# KiCad board panel.kicad_pcb (continued)
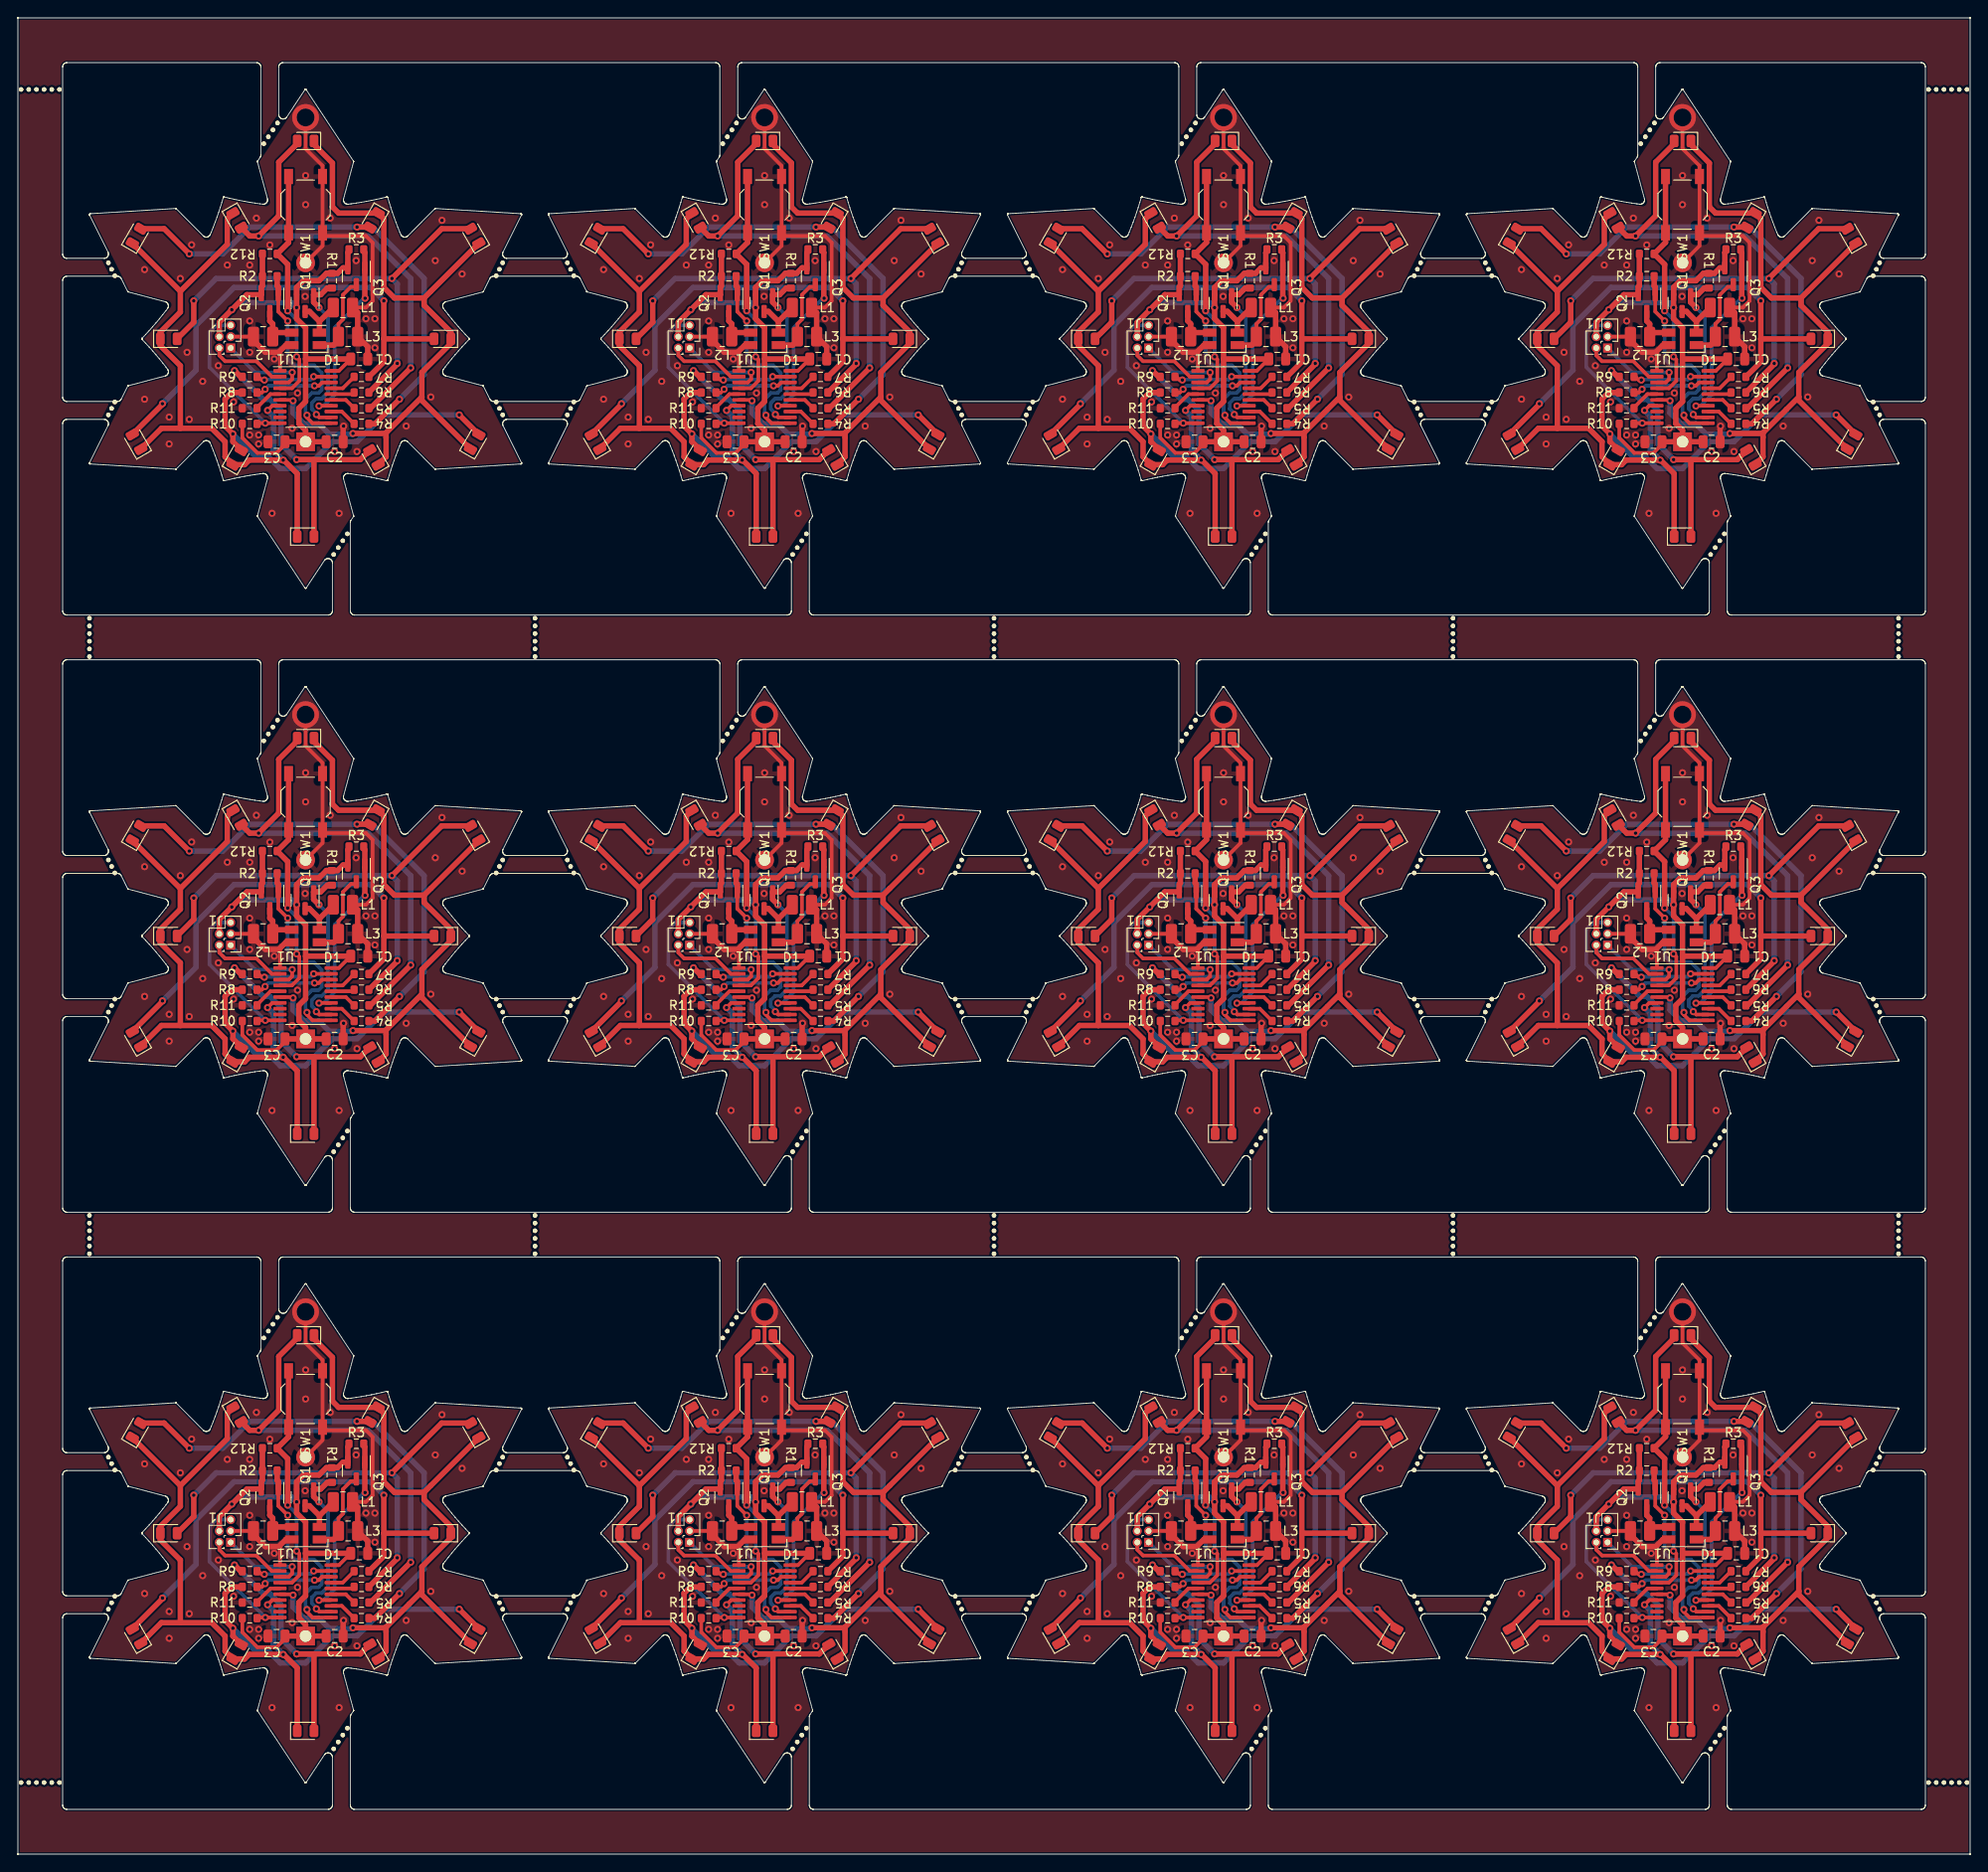
[diagram p0: board, top side]
## Routing (per net, layer and track width the routed paths; a pad name or vN(x,y) marks a point on that pad's centre or on a via; arc(x,y) is an arc through that point) (continued)
  Bottom w0.406: v1(133.29,165.64) 129.14,165.64 J1#3.1
Board_2-/SWD: length 8.6
  Top w0.406: J1#3.2 125.14,167.53 125.79,166.89 129.29,166.89 131.01,165.16 U1#9.2
Board_2-GND: length 51.4
  Top w0.406: J1#3.3 128.96,169.63 L2#10.2 ; SW1#3.2 136.69,179.79 BT1#6.2 ; SW1#3.2 137.04,180.89 141.54,180.89 142.29,180.14 142.29,173.64 141.54,172.89 L1#2.2 ; SW1#3.2 SW1#3.2 136.69,188.74 134.79,190.64 v2(134.79,194.14) ; U1#9.1 131.92,167.75 131.79,167.89
  Top w0.61: D1#11.1 132.59,168.69 131.79,167.89 130.29,167.89 128.96,169.21 L2#10.2 ; v1(139.04,159.64) 138.99,159.59 C2.2 ; C1#12.1 141.74,168.51 L3#7.2 140.61,172.31 L1#2.2
  vias: v1(116.79,177.14) v1(116.79,162.64) v1(119.54,160.64) v1(119.54,157.64) v1(120.79,176.14) v1(121.54,167.89) v1(121.79,160.39) v1(122.05,179.9) v1(123.29,164.64) v1(125.04,166.39) v1(126.04,177.64) v1(126.74,162.34) v1(128.54,177.64) v1(128.54,171.39) v1(128.54,167.89) v1(128.54,158.64) v1(129.29,182.89) v1(129.54,158.64) v1(129.54,157.64) v1(130.79,179.89) v1(131.04,149.89) v1(131.29,167.14) v1(133.29,159.39) v1(133.88,163.33) v1(134.74,174.14) v1(134.79,187.64) v1(134.79,184.39) v1(137.54,182.89) v1(138.04,156.79) v1(138.54,149.89) v1(140.44,178.14) v1(140.53,156.79) v1(141.54,171.64) v1(142.54,171.64) v1(142.54,168.39) v1(146.04,159.64) v1(148.79,162.89) v1(149.29,178.14) v1(150.04,182.64) v1(152.29,176.64)
Board_2-Net-(D1-BK): length 5.5
  Top w0.61: Q1#4.3 135.22,172.45 136.34,171.34 ; D1#11.4 136.34,171.34 ; 136.34,171.34 L1#2.1
Board_2-Net-(D1-GK): length 9.5
  Top w0.406: L3#7.1 138.46,171.06 138.96,171.56 138.96,174.31 139.85,175.2 140.46,175.2
  Top w0.61: D1#11.3 137.92,168.69 138.46,169.22 L3#7.1
Board_2-Net-(D1-RK): length 5.3
  Top w0.61: D1#11.2 131.56,170.09 L2#10.1 131.11,171.06 130.79,171.39 Q2#9.3
Board_2-Net-(D2-A): length 57
  Top w0.61: v1(121.79,178.89) 118.97,181.7 D2#8.2 ; D3#6.2 141.91,181.89 v1(140.54,181.89) ; R4#6.1 142.54,159.89 v1(145.29,162.64)
  Bottom w0.61: 145.35,162.69 148.04,165.39 148.04,176.14 142.29,181.89 v1(140.54,181.89) 128.54,181.89 125.54,178.89 v1(121.79,178.89)
Board_2-Net-(D4-A): length 50.2
  Top w0.61: D4#3.2 128.54,180.89 v1(129.54,180.89) 131.79,183.14 131.79,189.14 133.85,191.2 D5#10.2 ; R5#8.1 142.04,161.64 v1(146.54,166.14)
  Bottom w0.61: v1(129.54,180.89) 141.79,180.89 146.54,176.14 v1(146.54,166.14)
Board_2-Net-(D6-A): length 53.6
  Top w0.61: R6#9.1 145.04,166.56 v1(145.04,166.64) ; D6#5.2 122.29,171.25 v1(122.29,173.64) ; D7#10.2 150,181.7 v1(144.44,176.14)
  Bottom w0.61: v1(145.04,166.64) 145.04,175.54 v1(144.44,176.14) 124.79,176.14 v1(122.29,173.64)
Board_2-Net-(D8-A): length 53.3
  Top w0.61: R7.1 143.54,166.81 143.54,169.39 ; D9#8.2 143.54,169.39 ; 143.54,169.39 v1(143.54,173.64) ; D8#9.2 118.79,162.07
  Bottom w0.61: v1(118.79,162.14) 122.54,165.89 122.54,170.89 126.79,175.14 142.04,175.14 v1(143.54,173.64)
Board_2-Net-(D10-A): length 41.2
  Top w0.61: R8#5.1 126.51,163.39 125.79,162.67 125.79,159.64 v1(126.66,158.76) 126.66,157.89 D10#7.2 ; v1(151.97,160.89) D11#7.2
  Bottom w0.61: v1(151.97,160.89) 143.54,160.89 140.56,157.91 137.81,157.91 134.79,154.89 131.95,154.89 130.7,156.14 129.29,156.14 v1(126.66,158.76)
Board_2-Net-(D12-A): length 33.6
  Top w0.61: D12#7.2 135.72,155.89 v1(133.79,155.89) 140.91,155.89 D13#12.2 ; R9#8.1 127.54,165.14 v1(126.84,165.84)
  Bottom w0.61: v1(133.79,155.89) 132.04,157.64 132.04,161.39 130.79,162.64 130.04,162.64 v1(126.84,165.84)
Board_2-Net-(SW1A-A): length 26.9
  Top w0.406: v1(133.79,167.39) 134.09,167.08 134.09,164.69 133.26,163.86 U1#9.4
  Top w0.61: SW1#3.1 SW1#3.1 132.89,180.16 R12#12.1 132.79,177.71 v1(132.79,172.52)
  Bottom w0.406: v1(133.79,167.39) 133.79,171.52 v1(132.79,172.52)
Board_2-Net-(U1-PB6/PF4-BOOT0): length 3.3
  Top w0.406: U1#9.5 130.86,163.21 129.36,161.71 R11.2
Board_2-VCC: length 67.1
  Top w0.406: C1#12.2 138.51,165.81 U1#9.20 ; C3#9.1 132.49,157.59 131.54,156.64 129.4,156.64 127.71,158.32 R10#7.1
  Top w0.61: Q3#11.2 138.97,177.32 138.36,176.71 R1#3.1 137.11,176.71 136.29,175.89 134.54,175.89 133.79,175.14 Q1#4.2 133.79,171.64 134.79,170.64 134.79,167.14 ; 134.79,167.14 C1#12.2 ; 134.79,167.14 134.79,162.39 134.04,161.64 134.04,159.92 134.79,159.17 BT1#6.1 ; BT1#6.1 C3#9.1 ; BT1#6.1 C2.1 ; 139.64,179.14 139.51,179.01 139.51,177.07 ; R12#12.2 R2#6.1 129.96,175.31 129.84,175.19 Q2#9.2 128.22,174.32 125.14,171.24 J1#3.4
  Bottom w0.61: v1(126.54,172.64) 127.33,173.43 133.25,173.43 v1(133.79,172.89)
Board_3-/B: length 19.5
  Top w0.406: v1(187.3,160.93) 187.62,160.61 U1#5.12
  Top w0.61: v1(187.6,172.89) 187,173.49 Q1#9.1 187.79,174.32 188.52,175.06 R1#11.2
  Bottom w0.406: v1(187.3,160.93) 187.3,161.04 186.79,161.55 186.79,162.22 187.27,162.69 187.9,162.69 188.6,163.39 188.6,171.89 v1(187.6,172.89)
Board_3-/G: length 21.3
  Top w0.406: v1(187.6,161.89) 187.62,161.91 U1#5.14 ; 192.66,177.14 192.72,177.07
  Top w0.61: 192.6,179.14 192.72,179.01 192.72,173.96 v1(192.75,173.93)
  Bottom w0.406: v1(192.75,173.93) 192.64,173.93 189.35,170.64 189.35,163.14 188.1,161.89 v1(187.6,161.89)
Board_3-/L1: length 3.1
  Top w0.406: U1#5.13 190.15,161.26 R4#3.2
Board_3-/L2: length 2.9
  Top w0.406: R5#6.2 190.6,162.56 U1#5.15
Board_3-/L3: length 2.6
  Top w0.406: U1#5.16 191.35,163.21 R6#10.2
Board_3-/L4: length 3.1
  Top w0.406: R7#5.2 190.25,163.86 U1#5.17
Board_3-/L5: length 8.8
  Top w0.406: U1#5.18 187.95,164.51 187.57,164.14 v1(187.1,164.14) ; R8#4.2 181.21,163.39 v1(181.57,163.75)
  Bottom w0.406: v1(187.1,164.14) 181.96,164.14 v1(181.57,163.75)
Board_3-/L6: length 8.6
  Top w0.406: v1(187,165.16) U1#5.19 ; R9#9.2 180.85,165.14 181.2,164.78 v1(181.49,164.78)
  Bottom w0.406: v1(187,165.16) 186.67,164.83 181.54,164.83 v1(181.49,164.78)
Board_3-/MPX1: length 81.4
  Top w0.406: U1#5.6 184.6,162.56 v1(184.7,162.47)
  Top w0.61: D5#6.1 187.04,191.1 189.1,189.04 189.1,184.14 189.79,183.45 D3#8.1 194.85,182.82 194.85,175.14 196.03,173.95 199.35,173.95 ; 199.35,173.95 D7#9.1 ; 199.35,173.95 199.35,173.14 202.34,170.15 D9#2.1 202.34,168.87 199.1,165.64 199.1,162.89 ; 195.1,158.89 199.1,162.89 ; 195.1,158.89 195.1,156.2 D13#3.1 ; 195.1,158.89 195.02,158.81 v1(191.4,158.81) ; 199.1,162.89 199.1,162.5 D11.1
  Bottom w0.61: v1(184.7,162.47) 184.7,161.12 185.93,159.89 187.6,159.89 188.75,158.73 191.32,158.73 v1(191.4,158.81)
Board_3-/MPX2: length 72.8
  Top w0.406: v1(181.85,161.39) 182.37,161.91 U1#5.7
  Top w0.61: 172.1,159.39 172.1,166.39 169.86,168.62 D6.1 169.86,170.15 172.1,172.39 172.1,174.7 ; 172.1,159.39 175.6,159.39 177.1,157.89 177.1,156.2 D10#6.1 179.29,155.32 179.8,155.83 v1(183.6,155.83) 183.65,155.83 185.16,154.32 D12#5.1 ; 172.1,159.39 169.98,159.39 D8#11.1 ; D4#7.1 177.35,182.82 177.35,179.95 172.1,174.7 ; 172.1,174.7 D2#9.1
  Bottom w0.61: v1(183.6,155.83) 182.5,156.93 182.5,160.73 v1(181.85,161.39)
Board_3-/nRST: length 18
  Top w0.406: U1#5.10 180.75,159.96 R10#11.2
  Bottom w0.406: v1(181.6,159.96) 175.35,166.21 175.35,170.14 176.11,170.9 J1#5.5
Board_3-/R: length 23.4
  Top w0.406: U1#5.11 186.87,159.96 186.25,160.58 v1(186.25,160.85) ; Q2#12.1 183.05,172.44 v1(184.1,171.39)
  Top w0.61: Q2#12.1 183.05,175.19 182.92,175.31 R2#9.2
  Bottom w0.406: v1(186.25,160.85) 186.25,161.01 186.1,161.16 186.1,162.64 186.79,163.33 187.54,163.33 187.9,163.69 187.9,165.58 187.04,166.44 184.79,166.44 184.1,167.14 v1(184.1,171.39)
Board_3-/SWC: length 10.3
  Top w0.406: v1(184.6,165.64) 184.6,164.89 184.22,164.51 U1#5.3
  Bottom w0.406: v1(184.6,165.64) 180.45,165.64 J1#5.1
Board_3-/SWD: length 8.6
  Top w0.406: J1#5.2 176.45,167.53 177.1,166.89 180.6,166.89 182.32,165.16 U1#5.2
Board_3-GND: length 51.4
  Top w0.406: SW1#5.2 SW1#5.2 188,188.74 186.1,190.64 v2(186.1,194.14) ; SW1#5.2 188.35,180.89 192.85,180.89 193.6,180.14 193.6,173.64 192.85,172.89 L1#5.2 ; SW1#5.2 188,179.79 BT1#12.2 ; J1#5.3 180.27,169.63 L2#11.2 ; U1#5.1 183.24,167.75 183.1,167.89
  Top w0.61: v1(190.35,159.64) 190.3,159.59 C2#2.2 ; C1#2.1 193.05,168.51 L3#2.2 191.92,172.31 L1#5.2 ; D1#6.1 183.9,168.69 183.1,167.89 181.6,167.89 180.27,169.21 L2#11.2
  vias: v1(168.1,177.14) v1(168.1,162.64) v1(170.85,160.64) v1(170.85,157.64) v1(172.1,176.14) v1(172.85,167.89) v1(173.1,160.39) v1(173.36,179.9) v1(174.6,164.64) v1(176.35,166.39) v1(177.35,177.64) v1(178.05,162.34) v1(179.85,177.64) v1(179.85,171.39) v1(179.85,167.89) v1(179.85,158.64) v1(180.6,182.89) v1(180.85,158.64) v1(180.85,157.64) v1(182.1,179.89) v1(182.35,149.89) v1(182.6,167.14) v1(184.6,159.39) v1(185.19,163.33) v1(186.05,174.14) v1(186.1,187.64) v1(186.1,184.39) v1(188.85,182.89) v1(189.35,156.79) v1(189.85,149.89) v1(191.75,178.14) v1(191.85,156.79) v1(192.85,171.64) v1(193.85,171.64) v1(193.85,168.39) v1(197.35,159.64) v1(200.1,162.89) v1(200.6,178.14) v1(201.35,182.64) v1(203.6,176.64)
Board_3-Net-(D1-BK): length 5.5
  Top w0.61: D1#6.4 187.65,171.34 ; 187.65,171.34 186.54,172.45 Q1#9.3 ; 187.65,171.34 L1#5.1
Board_3-Net-(D1-GK): length 9.5
  Top w0.406: 191.77,175.2 191.16,175.2 190.27,174.31 190.27,171.56 189.77,171.06 L3#2.1
  Top w0.61: L3#2.1 189.77,169.22 189.24,168.69 D1#6.3
Board_3-Net-(D1-RK): length 5.3
  Top w0.61: Q2#12.3 182.1,171.39 182.42,171.06 L2#11.1 182.87,170.09 D1#6.2
Board_3-Net-(D2-A): length 57
  Top w0.61: v1(196.6,162.64) 193.85,159.89 R4#3.1 ; D2#9.2 170.29,181.7 v1(173.1,178.89) ; v1(191.85,181.89) 193.22,181.89 D3#8.2
  Bottom w0.61: 196.66,162.69 199.35,165.39 199.35,176.14 193.6,181.89 v1(191.85,181.89) 179.85,181.89 176.85,178.89 v1(173.1,178.89)
Board_3-Net-(D4-A): length 50.2
  Top w0.61: v1(197.85,166.14) 193.35,161.64 R5#6.1 ; D4#7.2 179.85,180.89 v1(180.85,180.89) 183.1,183.14 183.1,189.14 185.16,191.2 D5#6.2
  Bottom w0.61: v1(180.85,180.89) 193.1,180.89 197.85,176.14 v1(197.85,166.14)
Board_3-Net-(D6-A): length 53.6
  Top w0.61: v1(173.6,173.64) 173.6,171.25 D6.2 ; R6#10.1 196.35,166.56 v1(196.35,166.64) ; D7#9.2 201.31,181.7 v1(195.75,176.14)
  Bottom w0.61: v1(196.35,166.64) 196.35,175.54 v1(195.75,176.14) 176.1,176.14 v1(173.6,173.64)
Board_3-Net-(D8-A): length 53.3
  Top w0.61: R7#5.1 194.85,166.81 194.85,169.39 ; v1(194.85,173.64) 194.85,169.39 ; 194.85,169.39 D9#2.2 ; D8#11.2 170.1,162.07
  Bottom w0.61: v1(194.85,173.64) 193.35,175.14 178.1,175.14 173.85,170.89 173.85,165.89 v1(170.1,162.14)
Board_3-Net-(D10-A): length 41.2
  Top w0.61: D10#6.2 177.97,157.89 v1(177.97,158.76) 177.1,159.64 177.1,162.67 177.82,163.39 R8#4.1 ; v1(203.28,160.89) D11.2
  Bottom w0.61: v1(177.97,158.76) 180.6,156.14 182.02,156.14 183.27,154.89 186.1,154.89 189.12,157.91 191.87,157.91 194.85,160.89 v1(203.28,160.89)
Board_3-Net-(D12-A): length 33.6
  Top w0.61: R9#9.1 178.85,165.14 v1(178.15,165.84) ; D13#3.2 192.22,155.89 v1(185.1,155.89) 187.04,155.89 D12#5.2
  Bottom w0.61: v1(185.1,155.89) 183.35,157.64 183.35,161.39 182.1,162.64 181.35,162.64 v1(178.15,165.84)
Board_3-Net-(SW1A-A): length 26.9
  Top w0.406: U1#5.4 184.57,163.86 185.4,164.69 185.4,167.08 v1(185.1,167.39)
  Top w0.61: v1(184.1,172.52) 184.1,177.71 R12#6.1 184.2,180.16 SW1#5.1 SW1#5.1
  Bottom w0.406: v1(185.1,167.39) 185.1,171.52 v1(184.1,172.52)
Board_3-Net-(U1-PB6/PF4-BOOT0): length 3.3
  Top w0.406: R11#7.2 180.67,161.71 182.17,163.21 U1#5.5
Board_3-VCC: length 67.1
  Top w0.406: R10#11.1 179.02,158.32 180.71,156.64 182.85,156.64 183.8,157.59 C3#2.1 ; C1#2.2 189.82,165.81 U1#5.20
  Top w0.61: 186.1,167.14 C1#2.2 ; 186.1,167.14 186.1,162.39 185.35,161.64 185.35,159.92 186.1,159.17 BT1#12.1 ; 186.1,167.14 186.1,170.64 185.1,171.64 Q1#9.2 185.1,175.14 185.85,175.89 187.6,175.89 188.42,176.71 R1#11.1 189.67,176.71 190.29,177.32 Q3#3.2 ; BT1#12.1 C2#2.1 ; BT1#12.1 C3#2.1 ; 190.82,177.07 190.82,179.01 190.95,179.14 ; R12#6.2 R2#9.1 181.27,175.31 181.15,175.19 Q2#12.2 179.54,174.32 176.45,171.24 J1#5.4
  Bottom w0.61: v1(177.85,172.64) 178.64,173.43 184.56,173.43 v1(185.1,172.89)
Board_4-/B: length 19.5
  Top w0.406: U1#12.12 33.69,93.86 v1(33.37,94.18)
  Top w0.61: R1.2 34.59,108.31 33.85,107.57 Q1#10.1 33.06,106.73 v1(33.66,106.13)
  Bottom w0.406: v1(33.37,94.18) 33.37,94.29 32.86,94.8 32.86,95.46 33.33,95.93 33.97,95.93 34.66,96.63 34.66,105.13 v1(33.66,106.13)
Board_4-/G: length 21.3
  Top w0.406: U1#12.14 33.69,95.16 v1(33.66,95.13) ; 38.72,110.38 38.79,110.32
  Top w0.61: 38.66,112.38 38.79,112.26 38.79,107.2 v1(38.82,107.17)
  Bottom w0.406: v1(38.82,107.17) 38.7,107.17 35.41,103.88 35.41,96.38 34.16,95.13 v1(33.66,95.13)
Board_4-/L1: length 3.1
  Top w0.406: U1#12.13 36.21,94.51 R4#9.2
Board_4-/L2: length 2.9
  Top w0.406: R5#12.2 36.66,95.81 U1#12.15
Board_4-/L3: length 2.6
  Top w0.406: U1#12.16 37.41,96.46 R6.2
Board_4-/L4: length 3.1
  Top w0.406: U1#12.17 36.31,97.11 R7#9.2
Board_4-/L5: length 8.8
  Top w0.406: R8#11.2 27.28,96.63 v1(27.64,96.99) ; v1(33.16,97.38) 33.64,97.38 34.01,97.76 U1#12.18
  Bottom w0.406: v1(27.64,96.99) 28.03,97.38 v1(33.16,97.38)
Board_4-/L6: length 8.6
  Top w0.406: v1(33.07,98.41) U1#12.19 ; v1(27.55,98.03) 27.26,98.03 26.91,98.38 R9#11.2
  Bottom w0.406: v1(27.55,98.03) 27.6,98.08 32.74,98.08 v1(33.07,98.41)
Board_4-/MPX1: length 81.4
  Top w0.406: v1(30.76,95.71) 30.67,95.81 U1#12.6
  Top w0.61: 45.41,107.2 45.41,106.38 48.4,103.39 D9#5.1 48.4,102.12 45.16,98.88 45.16,96.13 ; 45.41,107.2 D7#4.1 ; 45.41,107.2 42.09,107.2 40.91,108.38 40.91,116.06 D3#3.1 35.85,116.69 35.16,117.38 35.16,122.29 33.1,124.35 D5#9.1 ; 41.16,92.13 41.16,89.45 D13#5.1 ; 41.16,92.13 41.09,92.06 v1(37.46,92.06) ; 41.16,92.13 45.16,96.13 ; 45.16,96.13 45.16,95.75 D11#8.1
  Bottom w0.61: v1(37.46,92.06) 37.38,91.98 34.82,91.98 33.66,93.13 32,93.13 30.76,94.37 v1(30.76,95.71)
Board_4-/MPX2: length 72.8
  Top w0.406: v1(27.91,94.63) 28.44,95.16 U1#12.7
  Top w0.61: D8#4.1 16.04,92.63 18.16,92.63 ; 18.16,107.95 23.41,113.2 23.41,116.06 D4#10.1 ; 18.16,107.95 18.16,105.63 15.92,103.39 D6#11.1 15.92,101.87 18.16,99.63 18.16,92.63 ; 18.16,107.95 D2#5.1 ; 18.16,92.63 21.66,92.63 23.16,91.13 23.16,89.45 D10#12.1 25.35,88.57 25.86,89.08 v1(29.66,89.08) 29.71,89.08 31.22,87.57 D12#10.1
  Bottom w0.61: v1(27.91,94.63) 28.57,93.98 28.57,90.17 v1(29.66,89.08)
Board_4-/nRST: length 18
  Top w0.406: U1#12.10 26.81,93.21 R10#8.2
  Bottom w0.406: J1#11.5 22.18,104.15 21.41,103.38 21.41,99.46 v1(27.66,93.21)
Board_4-/R: length 23.4
  Top w0.406: v1(30.16,104.63) 29.11,105.68 Q2#8.1 ; v1(32.32,94.09) 32.32,93.83 32.94,93.21 U1#12.11
  Top w0.61: Q2#8.1 29.11,108.43 28.99,108.56 R2#5.2
  Bottom w0.406: v1(32.32,94.09) 32.32,94.25 32.16,94.41 32.16,95.88 32.86,96.58 33.61,96.58 33.97,96.93 33.97,98.83 33.11,99.68 30.86,99.68 30.16,100.38 v1(30.16,104.63)
Board_4-/SWC: length 10.3
  Top w0.406: U1#12.3 30.29,97.76 30.66,98.13 v1(30.66,98.88)
  Bottom w0.406: J1#11.1 26.51,98.88 v1(30.66,98.88)
Board_4-/SWD: length 8.6
  Top w0.406: J1#11.2 22.52,100.78 23.16,100.13 26.66,100.13 28.39,98.41 U1#12.2
Board_4-GND: length 51.4
  Top w0.406: U1#12.1 29.3,100.99 29.16,101.13 ; SW1#6.2 SW1#6.2 34.06,121.98 32.16,123.88 v2(32.16,127.38) ; SW1#6.2 34.41,114.13 38.91,114.13 39.66,113.38 39.66,106.88 38.91,106.13 L1#3.2 ; SW1#6.2 34.06,113.03 BT1#11.2 ; J1#11.3 26.33,102.88 L2#3.2
  Top w0.61: L1#3.2 37.99,105.56 L3#3.2 39.11,101.76 C1#5.1 ; v1(36.41,92.88) 36.36,92.83 C2#6.2 ; L2#3.2 26.34,102.46 27.66,101.13 29.16,101.13 29.96,101.93 D1#12.1
  vias: v1(14.16,110.38) v1(14.16,95.88) v1(16.91,93.88) v1(16.91,90.88) v1(18.16,109.38) v1(18.91,101.13) v1(19.16,93.63) v1(19.43,113.14) v1(20.66,97.88) v1(22.41,99.63) v1(23.41,110.88) v1(24.11,95.58) v1(25.91,110.88) v1(25.91,104.63) v1(25.91,101.13) v1(25.91,91.88) v1(26.66,116.13) v1(26.91,91.88) v1(26.91,90.88) v1(28.16,113.13) v1(28.41,83.13) v1(28.66,100.38) v1(30.66,92.63) v1(31.26,96.58) v1(32.16,120.88) v1(32.16,117.63) v1(32.11,107.38) v1(34.91,116.13) v1(35.41,90.03) v1(35.91,83.13) v1(37.81,111.38) v1(37.91,90.04) v1(38.91,104.88) v1(39.91,104.88) v1(39.91,101.63) v1(43.41,92.88) v1(46.16,96.13) v1(46.66,111.38) v1(47.41,115.88) v1(49.66,109.88)
Board_4-Net-(D1-BK): length 5.5
  Top w0.61: 33.71,104.58 L1#3.1 ; 33.71,104.58 D1#12.4 ; 33.71,104.58 32.6,105.69 Q1#10.3
Board_4-Net-(D1-GK): length 9.5
  Top w0.406: L3#3.1 35.84,104.31 36.34,104.81 36.34,107.56 37.22,108.44 37.84,108.44
  Top w0.61: D1#12.3 35.3,101.93 35.84,102.47 L3#3.1
Board_4-Net-(D1-RK): length 5.3
  Top w0.61: Q2#8.3 28.16,104.63 28.49,104.31 L2#3.1 28.94,103.33 D1#12.2
Board_4-Net-(D2-A): length 57
  Top w0.61: R4#9.1 39.91,93.13 v1(42.66,95.88) ; D2#5.2 16.35,114.94 v1(19.16,112.13) ; v1(37.91,115.13) 39.28,115.13 D3#3.2
  Bottom w0.61: 42.72,95.94 45.41,98.63 45.41,109.38 39.66,115.13 v1(37.91,115.13) 25.91,115.13 22.91,112.13 v1(19.16,112.13)
Board_4-Net-(D4-A): length 50.2
  Top w0.61: v1(43.91,99.38) 39.41,94.88 R5#12.1 ; D4#10.2 25.92,114.13 v1(26.91,114.13) 29.16,116.38 29.16,122.38 31.22,124.44 D5#9.2
  Bottom w0.61: v1(26.91,114.13) 39.16,114.13 43.91,109.38 v1(43.91,99.38)
Board_4-Net-(D6-A): length 53.6
  Top w0.61: v1(42.41,99.88) 42.41,99.81 R6.1 ; D7#4.2 47.38,114.94 v1(41.82,109.38) ; v1(19.66,106.88) 19.66,104.49 D6#11.2
  Bottom w0.61: v1(42.41,99.88) 42.41,108.78 v1(41.82,109.38) 22.16,109.38 v1(19.66,106.88)
Board_4-Net-(D8-A): length 53.3
  Top w0.61: D8#4.2 16.16,95.31 ; v1(40.91,106.88) 40.91,102.63 ; 40.91,102.63 D9#5.2 ; 40.91,102.63 40.91,100.06 R7#9.1
  Bottom w0.61: v1(16.16,95.38) 19.91,99.13 19.91,104.13 24.16,108.38 39.41,108.38 v1(40.91,106.88)
Board_4-Net-(D10-A): length 41.2
  Top w0.61: v1(49.34,94.13) D11#8.2 ; R8#11.1 23.88,96.63 23.16,95.91 23.16,92.88 v1(24.04,92.01) 24.04,91.14 D10#12.2
  Bottom w0.61: v1(49.34,94.13) 40.91,94.13 37.93,91.15 35.18,91.15 32.16,88.13 29.33,88.13 28.08,89.38 26.66,89.38 v1(24.04,92.01)
Board_4-Net-(D12-A): length 33.6
  Top w0.61: D13#5.2 38.28,89.13 v1(31.16,89.13) 33.1,89.13 D12#10.2 ; R9#11.1 24.91,98.38 v1(24.21,99.08)
  Bottom w0.61: v1(31.16,89.13) 29.41,90.88 29.41,94.63 28.16,95.88 27.41,95.88 v1(24.21,99.08)
Board_4-Net-(SW1A-A): length 26.9
  Top w0.406: v1(31.16,100.63) 31.47,100.33 31.47,97.93 30.64,97.11 U1#12.4
  Top w0.61: v1(30.16,105.77) 30.16,110.96 R12#10.1 30.26,113.41 SW1#6.1 SW1#6.1
  Bottom w0.406: v1(31.16,100.63) 31.16,104.77 v1(30.16,105.77)
Board_4-Net-(U1-PB6/PF4-BOOT0): length 3.3
  Top w0.406: R11#4.2 26.74,94.96 28.24,96.46 U1#12.5
Board_4-VCC: length 67.1
  Top w0.406: R10#8.1 25.09,91.57 26.78,89.88 28.91,89.88 29.86,90.83 C3#6.1 ; C1#5.2 35.89,99.06 U1#12.20
  Top w0.61: 32.16,100.38 32.16,103.88 31.16,104.88 Q1#10.2 31.16,108.38 31.91,109.13 33.66,109.13 34.49,109.96 R1.1 35.74,109.96 36.35,110.57 Q3#7.2 ; 32.16,100.38 32.16,95.63 31.41,94.88 31.41,93.16 32.16,92.41 BT1#11.1 ; 32.16,100.38 C1#5.2 ; BT1#11.1 C3#6.1 ; BT1#11.1 C2#6.1 ; 37.01,112.38 36.89,112.26 36.89,110.32 ; J1#11.4 22.52,104.49 25.6,107.57 Q2#8.2 27.21,108.43 27.34,108.56 R2#5.1 R12#10.2
  Bottom w0.61: v1(31.16,106.13) 30.62,106.67 24.7,106.67 v1(23.91,105.88)
Board_5-/B: length 19.5
  Top w0.406: v1(84.68,94.18) 85,93.86 U1#2.12
  Top w0.61: v1(84.97,106.13) 84.37,106.73 Q1#3.1 85.16,107.57 85.9,108.31 R1#2.2
  Bottom w0.406: v1(84.68,94.18) 84.68,94.29 84.17,94.8 84.17,95.46 84.64,95.93 85.28,95.93 85.97,96.63 85.97,105.13 v1(84.97,106.13)
Board_5-/G: length 21.3
  Top w0.406: U1#2.14 85,95.16 v1(84.97,95.13) ; 90.04,110.38 90.1,110.32
  Top w0.61: v1(90.13,107.17) 90.1,107.2 90.1,112.26 89.97,112.38
  Bottom w0.406: v1(84.97,95.13) 85.47,95.13 86.72,96.38 86.72,103.88 90.02,107.17 v1(90.13,107.17)
Board_5-/L1: length 3.1
  Top w0.406: U1#2.13 87.52,94.51 R4.2
Board_5-/L2: length 2.9
  Top w0.406: R5#4.2 87.97,95.81 U1#2.15
Board_5-/L3: length 2.6
  Top w0.406: U1#2.16 88.72,96.46 R6#5.2
Board_5-/L4: length 3.1
  Top w0.406: U1#2.17 87.62,97.11 R7#7.2
Board_5-/L5: length 8.8
  Top w0.406: U1#2.18 85.32,97.76 84.95,97.38 v1(84.47,97.38) ; R8#7.2 78.59,96.63 v1(78.95,96.99)
  Bottom w0.406: v1(84.47,97.38) 79.34,97.38 v1(78.95,96.99)
Board_5-/L6: length 8.6
  Top w0.406: R9#10.2 78.22,98.38 78.58,98.03 v1(78.87,98.03) ; v1(84.38,98.41) U1#2.19
  Bottom w0.406: v1(84.38,98.41) 84.05,98.08 78.91,98.08 v1(78.87,98.03)
Board_5-/MPX1: length 81.4
  Top w0.406: U1#2.6 81.98,95.81 v1(82.07,95.71)
  Top w0.61: 96.47,96.13 92.47,92.13 ; 96.47,96.13 96.47,95.75 D11#10.1 ; 96.47,96.13 96.47,98.88 99.71,102.12 D9#9.1 99.71,103.39 96.72,106.38 96.72,107.2 ; D13#8.1 92.47,89.45 92.47,92.13 ; 96.72,107.2 D7#11.1 ; 96.72,107.2 93.4,107.2 92.22,108.38 92.22,116.06 D3#7.1 87.16,116.69 86.47,117.38 86.47,122.29 84.41,124.35 D5#7.1 ; 92.47,92.13 92.4,92.06 v1(88.77,92.06)
  Bottom w0.61: v1(88.77,92.06) 88.69,91.98 86.13,91.98 84.97,93.13 83.31,93.13 82.07,94.37 v1(82.07,95.71)
Board_5-/MPX2: length 72.8
  Top w0.406: v1(79.22,94.63) 79.75,95.16 U1#2.7
  Top w0.61: 69.47,107.95 69.47,105.63 67.24,103.39 D6#7.1 67.24,101.87 69.47,99.63 69.47,92.63 ; 69.47,107.95 74.72,113.2 74.72,116.06 D4.1 ; 69.47,107.95 D2#3.1 ; 69.47,92.63 67.35,92.63 D8#7.1 ; 69.47,92.63 72.97,92.63 74.47,91.13 74.47,89.45 D10#3.1 76.66,88.57 77.17,89.08 v1(80.97,89.08) 81.03,89.08 82.54,87.57 D12#8.1
  Bottom w0.61: v1(79.22,94.63) 79.88,93.98 79.88,90.17 v1(80.97,89.08)
Board_5-/nRST: length 18
  Top w0.406: R10#4.2 78.12,93.21 U1#2.10
  Bottom w0.406: J1#4.5 73.49,104.15 72.72,103.38 72.72,99.46 v1(78.97,93.21)
Board_5-/R: length 23.4
  Top w0.406: U1#2.11 84.25,93.21 83.63,93.83 v1(83.63,94.09) ; Q2#3.1 80.42,105.68 v1(81.47,104.63)
  Top w0.61: Q2#3.1 80.42,108.43 80.3,108.56 R2#11.2
  Bottom w0.406: v1(83.63,94.09) 83.63,94.25 83.47,94.41 83.47,95.88 84.17,96.58 84.92,96.58 85.28,96.93 85.28,98.83 84.42,99.68 82.17,99.68 81.47,100.38 v1(81.47,104.63)
Board_5-/SWC: length 10.3
  Top w0.406: U1#2.3 81.6,97.76 81.97,98.13 v1(81.97,98.88)
  Bottom w0.406: J1#4.1 77.82,98.88 v1(81.97,98.88)
Board_5-/SWD: length 8.6
  Top w0.406: J1#4.2 73.83,100.78 74.47,100.13 77.97,100.13 79.7,98.41 U1#2.2
Board_5-GND: length 51.4
  Top w0.406: L1#4.2 90.22,106.13 90.97,106.88 90.97,113.38 90.22,114.13 85.72,114.13 SW1#10.2 ; 80.47,101.13 80.61,100.99 U1#2.1 ; v2(83.47,127.38) 83.47,123.88 85.37,121.98 SW1#10.2 SW1#10.2 ; J1#4.3 77.64,102.88 L2#12.2 ; SW1#10.2 85.37,113.03 BT1#4.2
  Top w0.61: v1(87.72,92.88) 87.67,92.83 C2#3.2 ; D1#2.1 81.27,101.93 80.47,101.13 78.97,101.13 77.65,102.46 L2#12.2 ; L1#4.2 89.3,105.56 L3#6.2 90.42,101.76 C1#4.1
  vias: v1(65.47,110.38) v1(65.47,95.88) v1(68.22,93.88) v1(68.22,90.88) v1(69.47,109.38) v1(70.22,101.13) v1(70.47,93.63) v1(70.74,113.14) v1(71.97,97.88) v1(73.72,99.63) v1(74.72,110.88) v1(75.42,95.58) v1(77.22,110.88) v1(77.22,104.63) v1(77.22,101.13) v1(77.22,91.88) v1(77.97,116.13) v1(78.22,91.88) v1(78.22,90.88) v1(79.47,113.13) v1(79.72,83.13) v1(79.97,100.38) v1(81.97,92.63) v1(82.57,96.58) v1(83.42,107.38) v1(83.47,120.88) v1(83.47,117.63) v1(86.22,116.13) v1(86.72,90.03) v1(87.22,83.13) v1(89.12,111.38) v1(89.22,90.04) v1(90.22,104.88) v1(91.22,104.88) v1(91.22,101.63) v1(94.72,92.88) v1(97.47,96.13) v1(97.97,111.38) v1(98.72,115.88) v1(100.97,109.88)
Board_5-Net-(D1-BK): length 5.5
  Top w0.61: D1#2.4 85.02,104.58 ; 85.02,104.58 L1#4.1 ; 85.02,104.58 83.91,105.69 Q1#3.3
Board_5-Net-(D1-GK): length 9.5
  Top w0.406: 89.15,108.44 88.54,108.44 87.65,107.56 87.65,104.81 87.15,104.31 L3#6.1
  Top w0.61: L3#6.1 87.15,102.47 86.61,101.93 D1#2.3
Board_5-Net-(D1-RK): length 5.3
  Top w0.61: Q2#3.3 79.47,104.63 79.8,104.31 L2#12.1 80.25,103.33 D1#2.2
Board_5-Net-(D2-A): length 57
  Top w0.61: v1(93.97,95.88) 91.22,93.13 R4.1 ; D2#3.2 67.66,114.94 v1(70.47,112.13) ; D3#7.2 90.59,115.13 v1(89.22,115.13)
  Bottom w0.61: v1(70.47,112.13) 74.22,112.13 77.22,115.13 v1(89.22,115.13) 90.97,115.13 96.72,109.38 96.72,98.63 94.03,95.94
Board_5-Net-(D4-A): length 50.2
  Top w0.61: R5#4.1 90.72,94.88 v1(95.22,99.38) ; D5#7.2 82.54,124.44 80.47,122.38 80.47,116.38 v1(78.22,114.13) 77.23,114.13 D4.2
  Bottom w0.61: v1(95.22,99.38) 95.22,109.38 90.47,114.13 v1(78.22,114.13)
Board_5-Net-(D6-A): length 53.6
  Top w0.61: v1(70.97,106.88) 70.97,104.49 D6#7.2 ; v1(93.13,109.38) 98.69,114.94 D7#11.2 ; v1(93.72,99.88) 93.72,99.81 R6#5.1
  Bottom w0.61: v1(70.97,106.88) 73.47,109.38 v1(93.13,109.38) 93.72,108.78 v1(93.72,99.88)
Board_5-Net-(D8-A): length 53.3
  Top w0.61: D9#9.2 92.22,102.63 ; 92.22,102.63 92.22,100.06 R7#7.1 ; 92.22,102.63 v1(92.22,106.88) ; D8#7.2 67.47,95.31
  Bottom w0.61: v1(67.47,95.38) 71.22,99.13 71.22,104.13 75.47,108.38 90.72,108.38 v1(92.22,106.88)
Board_5-Net-(D10-A): length 41.2
  Top w0.61: R8#7.1 75.19,96.63 74.47,95.91 74.47,92.88 v1(75.35,92.01) 75.35,91.14 D10#3.2 ; v1(100.65,94.13) D11#10.2
  Bottom w0.61: v1(75.35,92.01) 77.97,89.38 79.39,89.38 80.64,88.13 83.47,88.13 86.49,91.15 89.24,91.15 92.22,94.13 v1(100.65,94.13)
Board_5-Net-(D12-A): length 33.6
  Top w0.61: D13#8.2 89.59,89.13 v1(82.47,89.13) 84.41,89.13 D12#8.2 ; v1(75.52,99.08) 76.22,98.38 R9#10.1
  Bottom w0.61: v1(75.52,99.08) 78.72,95.88 79.47,95.88 80.72,94.63 80.72,90.88 v1(82.47,89.13)
Board_5-Net-(SW1A-A): length 26.9
  Top w0.406: v1(82.47,100.63) 82.78,100.33 82.78,97.93 81.95,97.11 U1#2.4
  Top w0.61: v1(81.47,105.77) 81.47,110.96 R12#3.1 81.57,113.41 SW1#10.1 SW1#10.1
  Bottom w0.406: v1(81.47,105.77) 82.47,104.77 v1(82.47,100.63)
